# Altium PCB DIOT_Backplane.pcbdoc (part 11 of 11)
Units mm, origin at the board's own origin, x right, y up, seen from the top; angles counter-clockwise.
Board outline 304.8 x 128.5 mm, 14 copper layers (Top Layer, L2, L3GND, L4, L5GND, L6, L7GND, L8, L9GND, L10, L11GND, L12, L13GND, Bottom Layer), stack 4.06 mm thick; 141 components, 1224 nets, 5318 pads, 471 vias.
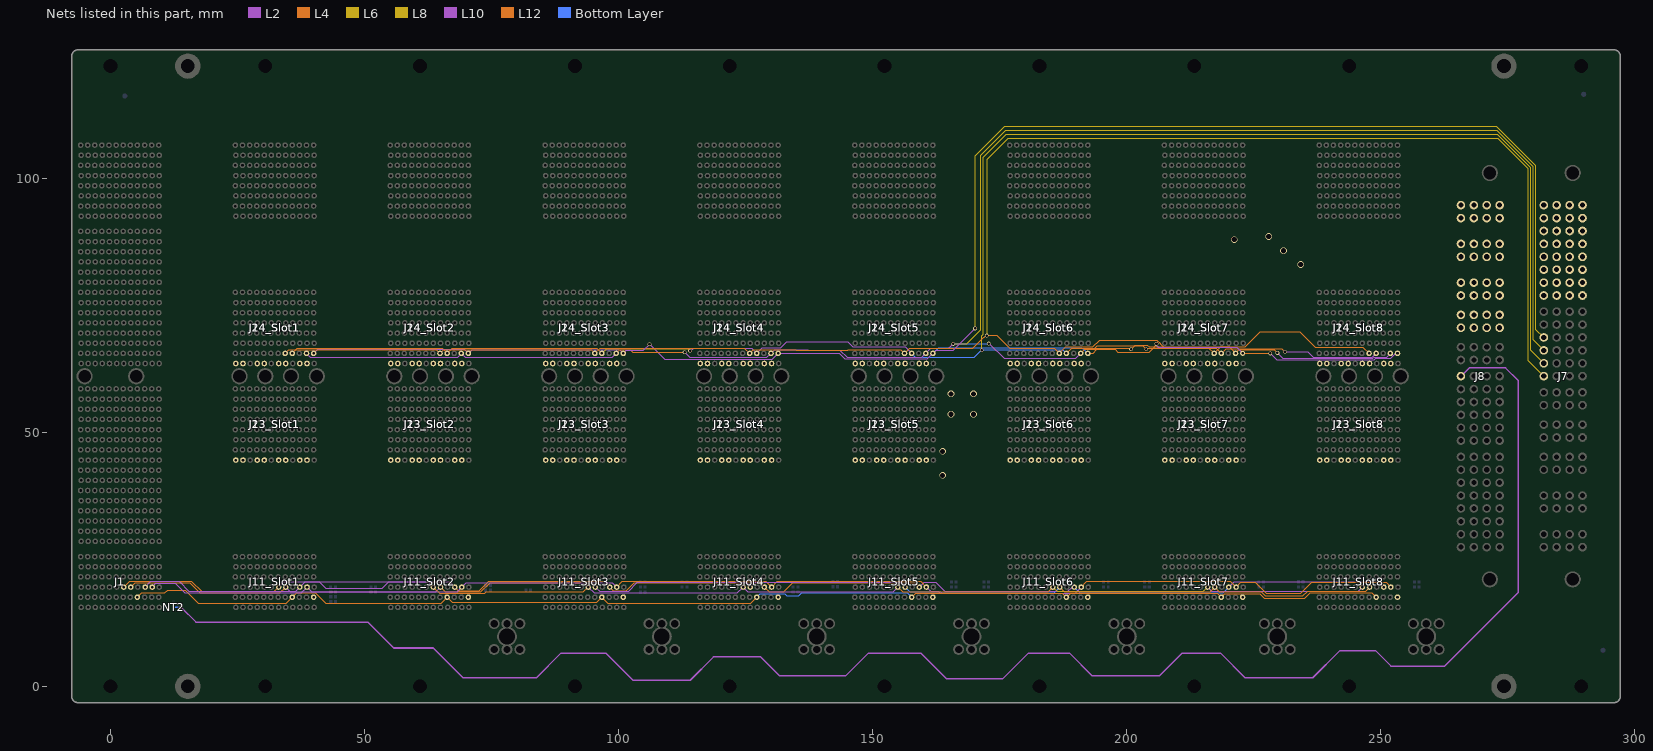
[diagram p23: the nets of this part, all layers, seen from the top]

## Via types
v1: diameter 0.75, hole 0.5, Top Layer to Bottom Layer, tented both sides, 429 vias
v2: diameter 0.85, hole 0.5, Top Layer to Bottom Layer, tented both sides, 32 vias
v3: diameter 1.3, hole 1, Top Layer to Bottom Layer, tented both sides, 10 vias

## Nets (pads, with @x,y where several pads share a name; then routed paths per layer and width w, separated by ;. In a path a pad name is that pad's centre, name@x,y a point inside that pad or via, vN(x,y) a via of type N, cw(c..) or ccw(c..) an arc to the next point about the centre after c; other vN are vias at no path point) (continued)
RTM_SHARED_BUS4: J7.D1 J14_Slot1.H2 J14_Slot2.H2 J14_Slot3.H2 J14_Slot4.H2 J14_Slot5.H2 J14_Slot6.H2 J14_Slot7.H2 J14_Slot8.H2 J24_Slot1.H2 J24_Slot2.H2 J24_Slot3.H2 J24_Slot4.H2 J24_Slot5.H2 J24_Slot6.H2 J24_Slot7.H2 J24_Slot8.H2 | length 412.2
  L4 w0.15: J14_Slot1.H2@34.4,65.55 35.127,66.277 64.153,66.277 J14_Slot2.H2@64.88,65.55 65.607,66.277 94.633,66.277 J14_Slot3.H2@95.36,65.55 96.412,66.602 124.788,66.602 J14_Slot4.H2@125.84,65.55 126.567,66.277 134.897,66.277 134.976,66.198 145.116,66.198 145.195,66.277 155.593,66.277 J14_Slot5.H2@156.32,65.55 157.32,66.55 169.72,66.55 171.893,68.723 172.03,68.723 172.358,69.05 v1(172.52,69.05) 172.546,69.076 174.494,69.076 177.02,66.55 185.8,66.55 J14_Slot6.H2@186.8,65.55 188.073,66.823 193.393,66.823 194.72,68.15 206.001,68.15 206.661,67.49 206.661,67.441 207.321,66.781 216.049,66.781 J14_Slot7.H2@217.28,65.55 218.553,66.823 223.353,66.823 226.332,69.802 234.168,69.802 237.171,66.799 246.511,66.799 J14_Slot8.H2@247.76,65.55
  L6 w0.15: v1(172.52,69.05) 172.62,69.15 172.62,103.75 176.72,107.85 229.42,107.85 273.113,107.85 279.02,101.943 279.02,64.2 J7.D1@282.16,61.06
RTM_SHARED_BUS5: J7.D2 J14_Slot1.I2 J14_Slot2.I2 J14_Slot3.I2 J14_Slot4.I2 J14_Slot5.I2 J14_Slot6.I2 J14_Slot7.I2 J14_Slot8.I2 J24_Slot1.I2 J24_Slot2.I2 J24_Slot3.I2 J24_Slot4.I2 J24_Slot5.I2 J24_Slot6.I2 J24_Slot7.I2 J24_Slot8.I2 | length 412
  L4 w0.15: J14_Slot6.I2@188.2,65.55 189.221,66.571 193.741,66.571 194.22,67.05 203.22,67.05 v1(203.92,66.35) ; J14_Slot7.I2@218.68,65.55 219.609,66.479 230.591,66.479 v1(231.22,65.85)
  L10 w0.15: v1(114.12,66.05) 114.282,66.05 114.782,66.55 126.24,66.55 J14_Slot4.I2@127.24,65.55 128.359,66.669 131.985,66.669 133.167,67.85 145.12,67.85 146.147,66.823 156.447,66.823 J14_Slot5.I2@157.72,65.55 ; v1(231.22,65.85) 235.72,65.85 236.747,64.823 248.433,64.823 J14_Slot8.I2@249.16,65.55
  L12 w0.15: J14_Slot1.I2@35.8,65.55 36.8,66.55 65.28,66.55 J14_Slot2.I2@66.28,65.55 67.28,66.55 95.76,66.55 J14_Slot3.I2@96.76,65.55 ; v1(203.92,66.35) 204.082,66.35 204.282,66.55 217.68,66.55 J14_Slot7.I2@218.68,65.55
  L6 w0.15: J14_Slot3.I2@96.76,65.55 97.66,66.45 113.671,66.45 114.071,66.05 v1(114.12,66.05) ; v1(171.52,66.15) 171.52,69.05 171.82,69.35 171.82,104.157 176.313,108.65 273.02,108.65 279.52,102.15 279.52,66.24 J7.D2@282.16,63.6
  Bottom Layer w0.15: J14_Slot5.I2@157.72,65.55 158.447,64.823 170.093,64.823 v1@171.47,66.2 ; v1@171.546,66.276 176.698,66.276 187.473,66.277 J14_Slot6.I2@188.2,65.55
RTM_SHARED_BUS6: J7.D3 J14_Slot1.K2 J14_Slot2.K2 J14_Slot3.K2 J14_Slot4.K2 J14_Slot5.K2 J14_Slot6.K2 J14_Slot7.K2 J14_Slot8.K2 J24_Slot1.K2 J24_Slot2.K2 J24_Slot3.K2 J24_Slot4.K2 J24_Slot5.K2 J24_Slot6.K2 J24_Slot7.K2 J24_Slot8.K2 | length 414.2
  L4 w0.15: J14_Slot3.K2@99.56,65.55 100.287,66.277 102.293,66.277 102.82,65.75 v1(113.02,65.75) ; J14_Slot6.K2@191,65.55 191.769,66.319 193.845,66.319 194.087,66.561 200.547,66.561 200.758,66.35 v1(200.92,66.35) ; J14_Slot7.K2@221.48,65.55 222.157,66.227 229.143,66.227 v1(229.72,65.65)
  L10 w0.15: J14_Slot1.K2@38.6,65.55 39.327,64.823 68.353,64.823 J14_Slot2.K2@69.08,65.55 69.807,64.823 98.833,64.823 J14_Slot3.K2@99.56,65.55 ; v1(113.02,65.75) 114.02,64.75 129.24,64.75 J14_Slot4.K2@130.04,65.55 130.767,66.277 137.259,66.277 137.338,66.198 143.572,66.198 145.023,64.747 159.717,64.747 J14_Slot5.K2@160.52,65.55 161.477,66.507 165.021,66.507 v1(165.911,67.397) ; v1(172.903,67.483) 173.04,67.483 175.973,64.55 190,64.55 J14_Slot6.K2@191,65.55 ; v1(229.72,65.65) 230.799,64.571 248.537,64.571 248.789,64.823 251.233,64.823 J14_Slot8.K2@251.96,65.55
  L12 w0.15: v1(200.92,66.35) 201.72,67.15 204.12,67.15 204.468,66.802 220.228,66.802 J14_Slot7.K2@221.48,65.55
  L6 w0.15: v1@165.954,67.44 v1(165.911,67.397) 168.567,67.397 171.32,70.15 171.32,104.55 176.22,109.45 272.927,109.45 280.02,102.357 280.02,68.28 J7.D3@282.16,66.14
  Bottom Layer w0.15: v1(165.911,67.397) 165.954,67.44 172.86,67.44 v1(172.903,67.483)
RTM_SHARED_BUS7: J7.D4 J14_Slot1.L2 J14_Slot2.L2 J14_Slot3.L2 J14_Slot4.L2 J14_Slot5.L2 J14_Slot6.L2 J14_Slot7.L2 J14_Slot8.L2 J24_Slot1.L2 J24_Slot2.L2 J24_Slot3.L2 J24_Slot4.L2 J24_Slot5.L2 J24_Slot6.L2 J24_Slot7.L2 J24_Slot8.L2 | length 417.3
  L2 w0.15: J14_Slot3.L2@100.96,65.55 101.56,66.15 104.92,66.15 v1(106.12,67.35) ; J14_Slot5.L2@161.92,65.55 162.52,66.15 165.92,66.15 v1(170.22,70.45) ; v1(205.92,67.45) 206.035,67.335 206.035,66.992 206.288,66.738 221.692,66.738 J14_Slot7.L2@222.88,65.55
  L4 w0.15: J14_Slot6.L2@192.4,65.55 193.433,65.55 194.191,66.309 197.761,66.309 198.32,65.75 204.52,65.75 205.593,66.823 205.593,66.96 205.92,67.288 v1(205.92,67.45) ; J14_Slot7.L2@222.88,65.55 v1(228.32,65.55)
  L10 w0.15: J14_Slot1.L2@40,65.55 40.8,66.35 69.68,66.35 J14_Slot2.L2@70.48,65.55 71.207,66.277 100.233,66.277 J14_Slot3.L2@100.96,65.55 ; v1(106.12,67.35) 109.12,64.35 130.24,64.35 J14_Slot4.L2@131.44,65.55 143.52,65.55 144.601,64.469 160.839,64.469 J14_Slot5.L2@161.92,65.55 ; v1(228.32,65.55) 229.593,64.277 248.747,64.277 249.041,64.571 252.009,64.571 252.687,65.249 252.687,65.251 252.804,65.368 253.178,65.368 J14_Slot8.L2@253.36,65.55
  L12 w0.15: J14_Slot6.L2@192.4,65.55 J14_Slot6.L2@192.496,65.55
  L6 w0.15: v1(170.22,70.45) 170.22,104.45 176.02,110.25 272.834,110.25 280.52,102.564 280.52,70.32 J7.D4@282.16,68.68
  Bottom Layer w0.15: J14_Slot5.L2@161.92,65.55 163.072,66.702 191.248,66.702 J14_Slot6.L2@192.4,65.55
RTN_Sense: J8.D1 NT2.1 | length 353.8
  L10 w0.3: v1(13.914,15.584) 16.837,12.661 50.659,12.661 55.77,7.55 63.57,7.55 69.419,1.701 83.871,1.701 88.72,6.55 97.52,6.55 102.869,1.201 114.121,1.201 118.72,5.8 128.02,5.8 131.77,2.05 144.72,2.05 149.22,6.55 159.52,6.55 164.619,1.451 175.621,1.451 180.72,6.55 188.77,6.55 193.27,2.05 206.47,2.05 210.97,6.55 218.52,6.55 223.369,1.701 236.671,1.701 242.02,7.05 249.02,7.05 252.081,3.989 262.659,3.989 277.12,18.45 277.12,60.205 274.643,62.681 267.471,62.681 J8.D1@265.85,61.06
  Bottom Layer w0.3: 12.766,15.584 v1(13.914,15.584)
SHARED_BUS_0: J1.I2 J11_Slot1.I2 J11_Slot2.I2 J11_Slot3.I2 J11_Slot4.I2 J11_Slot5.I2 J11_Slot6.I2 J11_Slot7.I2 J11_Slot8.I2 | length 253.4
  L4 w0.102: J11_Slot2.I2@66.28,17.55 67.258,16.572 95.782,16.572 J11_Slot3.I2@96.76,17.55 97.916,16.394 126.084,16.394 J11_Slot4.I2@127.24,17.55 ; J11_Slot5.I2@157.72,17.55 158.52,18.35 187.4,18.35 J11_Slot6.I2@188.2,17.55 189.025,18.375 217.855,18.375 J11_Slot7.I2@218.68,17.55 219.406,18.276 226.233,18.276 227.159,17.35 235.09,17.35 236.166,18.426 248.284,18.426 J11_Slot8.I2@249.16,17.55
  L12 w0.102: J1.I2@5.32,17.55 6.171,18.401 10.691,18.401 11.24,18.95 14.74,18.95 17.296,16.394 34.644,16.394 J11_Slot1.I2@35.8,17.55 36.651,18.401 40.33,18.401 42.362,16.369 65.099,16.369 J11_Slot2.I2@66.28,17.55
  Bottom Layer w0.102: J11_Slot4.I2@127.24,17.55 127.966,18.276 132.698,18.276 133.141,17.833 135.51,17.833 136.128,18.451 156.819,18.451 J11_Slot5.I2@157.72,17.55
SHARED_BUS_1: J1.G3 J11_Slot1.G3 J11_Slot2.G3 J11_Slot3.G3 J11_Slot4.G3 J11_Slot5.G3 J11_Slot6.G3 J11_Slot7.G3 J11_Slot8.G3 | length 252.4
  L2 w0.102: J11_Slot3.G3@94.06,19.55 95.209,18.401 123.391,18.401 J11_Slot4.G3@124.54,19.55 125.461,18.629 154.099,18.629 J11_Slot5.G3@155.02,19.55
  L4 w0.102: J11_Slot2.G3@63.58,19.55 64.83,18.3 73.67,18.3 73.974,18.604 93.114,18.604 J11_Slot3.G3@94.06,19.55 ; J11_Slot5.G3@155.02,19.55 155.941,18.629 184.579,18.629 J11_Slot6.G3@185.5,19.55
  L8 w0.102: J11_Slot6.G3@185.5,19.55 185.51,19.55 186.38,18.68 215.11,18.68 J11_Slot7.G3@215.98,19.55
  L10 w0.102: J11_Slot1.G3@33.1,19.55 34.16,20.61 41.08,20.61 42.34,19.35 53.54,19.35 54.8,20.61 62.52,20.61 J11_Slot2.G3@63.58,19.55 ; J11_Slot7.G3@215.98,19.55 216.799,18.731 245.641,18.731 J11_Slot8.G3@246.46,19.55
  L12 w0.102: J1.G3@2.62,19.55 3.807,20.737 15.953,20.737 17.985,18.705 32.255,18.705 J11_Slot1.G3@33.1,19.55
SHARED_BUS_2: J1.H3 J11_Slot1.H3 J11_Slot2.H3 J11_Slot3.H3 J11_Slot4.H3 J11_Slot5.H3 J11_Slot6.H3 J11_Slot7.H3 J11_Slot8.H3 | length 253.2
  L2 w0.102: J11_Slot3.H3@95.46,19.55 96.305,18.705 102.001,18.705 103.754,20.458 125.032,20.458 J11_Slot4.H3@125.94,19.55 126.873,20.483 155.487,20.483 J11_Slot5.H3@156.42,19.55
  L4 w0.102: J11_Slot2.H3@64.98,19.55 65.952,18.578 72.943,18.578 74.803,20.438 94.572,20.438 J11_Slot3.H3@95.46,19.55 ; J11_Slot6.H3@186.9,19.55 187.801,18.649 216.479,18.649 J11_Slot7.H3@217.38,19.55 217.387,19.55 218.317,18.62 226.524,18.62 227.344,17.8 234.722,17.8 235.678,18.756 247.066,18.756 J11_Slot8.H3@247.86,19.55
  L10 w0.102: J11_Slot1.H3@34.5,19.55 35.446,18.604 64.034,18.604 J11_Slot2.H3@64.98,19.55
  L12 w0.102: J1.H3@4.02,19.55 4.877,20.407 15.622,20.407 17.629,18.401 33.351,18.401 J11_Slot1.H3@34.5,19.55
  Bottom Layer w0.102: J11_Slot5.H3@156.42,19.55 157.344,18.626 163.477,18.626 163.652,18.451 185.801,18.451 J11_Slot6.H3@186.9,19.55
SHARED_BUS_3: J1.J3 J11_Slot1.J3 J11_Slot2.J3 J11_Slot3.J3 J11_Slot4.J3 J11_Slot5.J3 J11_Slot6.J3 J11_Slot7.J3 J11_Slot8.J3 | length 253.9
  L2 w0.102: J1.J3@6.82,19.55 7.931,20.661 13.529,20.661 15.443,18.747 36.497,18.747 J11_Slot1.J3@37.3,19.55 38.31,20.56 66.77,20.56 J11_Slot2.J3@67.78,19.55
  L4 w0.102: J11_Slot2.J3@67.78,19.55 68.483,18.847 72.653,18.847 74.518,20.712 97.098,20.712 J11_Slot3.J3@98.26,19.55 99.018,18.792 101.554,18.792 103.144,20.382 127.908,20.382 J11_Slot4.J3@128.74,19.55 129.712,18.578 132.557,18.578 134.361,20.382 158.388,20.382 J11_Slot5.J3@159.22,19.55
  L10 w0.102: J11_Slot5.J3@159.22,19.55 160.179,20.509 162.453,20.509 164.282,18.68 188.47,18.68 189.34,19.55 J11_Slot6.J3@189.7,19.55 ; J11_Slot7.J3@220.18,19.55 221.19,20.56 249.65,20.56 J11_Slot8.J3@250.66,19.55
  Bottom Layer w0.102: J11_Slot6.J3@189.7,19.55 190.838,18.412 219.056,18.412 220.18,19.536 J11_Slot7.J3@220.18,19.55
SHARED_BUS_4: J1.K3 J11_Slot1.K3 J11_Slot2.K3 J11_Slot3.K3 J11_Slot4.K3 J11_Slot5.K3 J11_Slot6.K3 J11_Slot7.K3 J11_Slot8.K3 | length 253.2
  L2 w0.102: J1.K3@8.22,19.55 8.946,20.276 12.745,20.276 14.629,18.391 37.541,18.391 J11_Slot1.K3@38.7,19.55 39.621,18.629 68.259,18.629 J11_Slot2.K3@69.18,19.55 70.063,20.433 98.777,20.433 J11_Slot3.K3@99.66,19.55
  L4 w0.102: J11_Slot3.K3@99.66,19.55 100.797,20.687 129.003,20.687 J11_Slot4.K3@130.14,19.55 131.277,20.687 159.483,20.687 J11_Slot5.K3@160.62,19.55 ; J11_Slot6.K3@191.1,19.55 192.199,20.649 220.481,20.649 J11_Slot7.K3@221.58,19.55 222.53,20.5 225.381,20.5 227.53,18.35 234.341,18.35 236.49,20.5 251.11,20.5 J11_Slot8.K3@252.06,19.55
  L10 w0.102: J11_Slot5.K3@160.62,19.55 161.439,18.731 162.961,18.731 163.317,18.375 189.925,18.375 J11_Slot6.K3@191.1,19.55
"SYSEN_Peripheral Slot 1_N": J11_Slot1.L2
"SYSEN_Peripheral Slot 2_N": J11_Slot2.L2
"SYSEN_Peripheral Slot 3_N": J11_Slot3.L2
"SYSEN_Peripheral Slot 4_N": J11_Slot4.L2
"SYSEN_Peripheral Slot 5_N": J11_Slot5.L2
"SYSEN_Peripheral Slot 6_N": J11_Slot6.L2
"SYSEN_Peripheral Slot 7_N": J11_Slot7.L2
"SYSEN_Peripheral Slot 8_N": J11_Slot8.L2
Vext1: J7.P9 J8.P1 J14_Slot1.A1 J14_Slot1.B1 J14_Slot1.D1 J14_Slot1.E1 J14_Slot2.A1 J14_Slot2.B1 J14_Slot2.D1 J14_Slot2.E1 J14_Slot3.A1 J14_Slot3.B1 J14_Slot3.D1 J14_Slot3.E1 J14_Slot4.A1 J14_Slot4.B1 J14_Slot4.D1 J14_Slot4.E1 J14_Slot5.A1 J14_Slot5.B1 J14_Slot5.D1 J14_Slot5.E1 J14_Slot6.A1 J14_Slot6.B1 J14_Slot6.D1 J14_Slot6.E1 J14_Slot7.A1 J14_Slot7.B1 J14_Slot7.D1 J14_Slot7.E1 J14_Slot8.A1 J14_Slot8.B1 J14_Slot8.D1 J14_Slot8.E1 J24_Slot1.A1 J24_Slot1.B1 J24_Slot1.D1 J24_Slot1.E1 J24_Slot2.A1 J24_Slot2.B1 J24_Slot2.D1 J24_Slot2.E1 J24_Slot3.A1 J24_Slot3.B1 J24_Slot3.D1 J24_Slot3.E1 J24_Slot4.A1 J24_Slot4.B1 J24_Slot4.D1 J24_Slot4.E1 J24_Slot5.A1 J24_Slot5.B1 J24_Slot5.D1 J24_Slot5.E1 J24_Slot6.A1 J24_Slot6.B1 J24_Slot6.D1 J24_Slot6.E1 J24_Slot7.A1 J24_Slot7.B1 J24_Slot7.D1 J24_Slot7.E1 J24_Slot8.A1 J24_Slot8.B1 J24_Slot8.D1 J24_Slot8.E1
Vext2: J7.P8 J8.P2 J14_Slot1.G1 J14_Slot1.H1 J14_Slot1.J1 J14_Slot1.K1 J14_Slot2.G1 J14_Slot2.H1 J14_Slot2.J1 J14_Slot2.K1 J14_Slot3.G1 J14_Slot3.H1 J14_Slot3.J1 J14_Slot3.K1 J14_Slot4.G1 J14_Slot4.H1 J14_Slot4.J1 J14_Slot4.K1 J14_Slot5.G1 J14_Slot5.H1 J14_Slot5.J1 J14_Slot5.K1 J14_Slot6.G1 J14_Slot6.H1 J14_Slot6.J1 J14_Slot6.K1 J14_Slot7.G1 J14_Slot7.H1 J14_Slot7.J1 J14_Slot7.K1 J14_Slot8.G1 J14_Slot8.H1 J14_Slot8.J1 J14_Slot8.K1 J24_Slot1.G1 J24_Slot1.H1 J24_Slot1.J1 J24_Slot1.K1 J24_Slot2.G1 J24_Slot2.H1 J24_Slot2.J1 J24_Slot2.K1 J24_Slot3.G1 J24_Slot3.H1 J24_Slot3.J1 J24_Slot3.K1 J24_Slot4.G1 J24_Slot4.H1 J24_Slot4.J1 J24_Slot4.K1 J24_Slot5.G1 J24_Slot5.H1 J24_Slot5.J1 J24_Slot5.K1 J24_Slot6.G1 J24_Slot6.H1 J24_Slot6.J1 J24_Slot6.K1 J24_Slot7.G1 J24_Slot7.H1 J24_Slot7.J1 J24_Slot7.K1 J24_Slot8.G1 J24_Slot8.H1 J24_Slot8.J1 J24_Slot8.K1
  other v3: 165.48,53.557 169.895,53.557 165.48,57.57 169.895,57.57 234.32,83.05 230.92,85.75 221.22,87.95 228.02,88.55
Vext3: J7.P7 J8.P3 J13_Slot1.A1 J13_Slot1.B1 J13_Slot1.D1 J13_Slot1.E1 J13_Slot2.A1 J13_Slot2.B1 J13_Slot2.D1 J13_Slot2.E1 J13_Slot3.A1 J13_Slot3.B1 J13_Slot3.D1 J13_Slot3.E1 J13_Slot4.A1 J13_Slot4.B1 J13_Slot4.D1 J13_Slot4.E1 J13_Slot5.A1 J13_Slot5.B1 J13_Slot5.D1 J13_Slot5.E1 J13_Slot6.A1 J13_Slot6.B1 J13_Slot6.D1 J13_Slot6.E1 J13_Slot7.A1 J13_Slot7.B1 J13_Slot7.D1 J13_Slot7.E1 J13_Slot8.A1 J13_Slot8.B1 J13_Slot8.D1 J13_Slot8.E1 J23_Slot1.A1 J23_Slot1.B1 J23_Slot1.D1 J23_Slot1.E1 J23_Slot2.A1 J23_Slot2.B1 J23_Slot2.D1 J23_Slot2.E1 J23_Slot3.A1 J23_Slot3.B1 J23_Slot3.D1 J23_Slot3.E1 J23_Slot4.A1 J23_Slot4.B1 J23_Slot4.D1 J23_Slot4.E1 J23_Slot5.A1 J23_Slot5.B1 J23_Slot5.D1 J23_Slot5.E1 J23_Slot6.A1 J23_Slot6.B1 J23_Slot6.D1 J23_Slot6.E1 J23_Slot7.A1 J23_Slot7.B1 J23_Slot7.D1 J23_Slot7.E1 J23_Slot8.A1 J23_Slot8.B1 J23_Slot8.D1 J23_Slot8.E1
Vext4: J7.P6 J8.P4 J13_Slot1.G1 J13_Slot1.H1 J13_Slot1.J1 J13_Slot1.K1 J13_Slot2.G1 J13_Slot2.H1 J13_Slot2.J1 J13_Slot2.K1 J13_Slot3.G1 J13_Slot3.H1 J13_Slot3.J1 J13_Slot3.K1 J13_Slot4.G1 J13_Slot4.H1 J13_Slot4.J1 J13_Slot4.K1 J13_Slot5.G1 J13_Slot5.H1 J13_Slot5.J1 J13_Slot5.K1 J13_Slot6.G1 J13_Slot6.H1 J13_Slot6.J1 J13_Slot6.K1 J13_Slot7.G1 J13_Slot7.H1 J13_Slot7.J1 J13_Slot7.K1 J13_Slot8.G1 J13_Slot8.H1 J13_Slot8.J1 J13_Slot8.K1 J23_Slot1.G1 J23_Slot1.H1 J23_Slot1.J1 J23_Slot1.K1 J23_Slot2.G1 J23_Slot2.H1 J23_Slot2.J1 J23_Slot2.K1 J23_Slot3.G1 J23_Slot3.H1 J23_Slot3.J1 J23_Slot3.K1 J23_Slot4.G1 J23_Slot4.H1 J23_Slot4.J1 J23_Slot4.K1 J23_Slot5.G1 J23_Slot5.H1 J23_Slot5.J1 J23_Slot5.K1 J23_Slot6.G1 J23_Slot6.H1 J23_Slot6.J1 J23_Slot6.K1 J23_Slot7.G1 J23_Slot7.H1 J23_Slot7.J1 J23_Slot7.K1 J23_Slot8.G1 J23_Slot8.H1 J23_Slot8.J1 J23_Slot8.K1
  other v3: 163.825,41.517 163.825,46.242
pads on no net: B5.1 B6.1 B7.1 B8.1 B9.1 B10.1 B11.1 B12.1 B13.1 B14.1 B15.1 B16.1 B17.1 B18.1 B19.1 B20.1 B21.1 B22.1 B23.1 B24.1 FTG1.FTG2 FTG2.FTG2 FTG3.FTG2 GUIDE1.1 GUIDE1.2 GUIDE2.1 GUIDE2.2 GUIDE3.1 GUIDE3.2 GUIDE4.1 GUIDE4.2 GUIDE5.1 GUIDE5.2 GUIDE6.1 GUIDE6.2 GUIDE7.1 GUIDE7.2 GUIDE8.1 GUIDE8.2 GUIDE9.1 GUIDE9.2 GUIDE10.1 GUIDE10.2 GUIDE11.1 GUIDE11.2 GUIDE12.1 GUIDE12.2 GUIDE13.1 GUIDE13.2 GUIDE14.1 GUIDE14.2 GUIDE15.1 GUIDE15.2 GUIDE16.1 GUIDE16.2 GUIDE17.1 GUIDE17.2 J1.E4 J1.F4 J1.K2 J2.A1 J2.B1 J2.B2 J2.C2 J2.D1 J2.E1 J2.E2 J2.F2 J2.G1 J2.H1 J2.H2 J2.I2 J2.J1 J2.K1 J2.K2 J2.L2 J7.A5 J7.A6 J7.B1 J7.B2 J7.B3 J7.B4 J7.B5 J7.B6 J7.C1 J7.C2 J7.C3 J7.C4 J7.C5 J7.C6 J7.D5 J7.D6 J7.MTG1 J7.MTG2 J8.MTG1 J8.MTG2 J16_Slot1.A3 J16_Slot1.A5 J16_Slot1.A7 J16_Slot1.B2 J16_Slot1.B3 J16_Slot1.B4 J16_Slot1.B5 J16_Slot1.B6 J16_Slot1.B7 J16_Slot1.B8 J16_Slot1.C2 J16_Slot1.C4 J16_Slot1.C6 J16_Slot1.C8 J16_Slot1.D3 J16_Slot1.D5 J16_Slot1.D7 J16_Slot1.E2 J16_Slot1.E3 J16_Slot1.E4 J16_Slot1.E5 J16_Slot1.E6 J16_Slot1.E7 J16_Slot1.E8 J16_Slot1.F2 J16_Slot1.F4 J16_Slot1.F6 J16_Slot1.F8 J16_Slot1.G3 J16_Slot1.G5 J16_Slot1.G7 J16_Slot1.H2 J16_Slot1.H3 J16_Slot1.H4 J16_Slot1.H5 J16_Slot1.H6 J16_Slot1.H7 J16_Slot1.H8 J16_Slot1.I2 J16_Slot1.I4 J16_Slot1.I6 J16_Slot1.I8 J16_Slot1.J3 J16_Slot1.J5 J16_Slot1.J7 J16_Slot1.K2 J16_Slot1.K3 J16_Slot1.K4 J16_Slot1.K5 J16_Slot1.K6 J16_Slot1.K7 J16_Slot1.K8 J16_Slot1.L2 J16_Slot1.L4 J16_Slot1.L6 J16_Slot1.L8 J16_Slot2.A3 J16_Slot2.A5 J16_Slot2.A7 J16_Slot2.B2 J16_Slot2.B3 J16_Slot2.B4 J16_Slot2.B5 J16_Slot2.B6 J16_Slot2.B7 J16_Slot2.B8 J16_Slot2.C2 J16_Slot2.C4 J16_Slot2.C6 J16_Slot2.C8 J16_Slot2.D3 J16_Slot2.D5 J16_Slot2.D7 J16_Slot2.E2 J16_Slot2.E3 J16_Slot2.E4 J16_Slot2.E5 J16_Slot2.E6 J16_Slot2.E7 J16_Slot2.E8 J16_Slot2.F2 J16_Slot2.F4 J16_Slot2.F6 J16_Slot2.F8 J16_Slot2.G3 J16_Slot2.G5 J16_Slot2.G7 J16_Slot2.H2 J16_Slot2.H3 J16_Slot2.H4 J16_Slot2.H5 J16_Slot2.H6 J16_Slot2.H7 J16_Slot2.H8 J16_Slot2.I2 J16_Slot2.I4 J16_Slot2.I6 J16_Slot2.I8 J16_Slot2.J3 J16_Slot2.J5 J16_Slot2.J7 J16_Slot2.K2 J16_Slot2.K3 J16_Slot2.K4 J16_Slot2.K5 J16_Slot2.K6 J16_Slot2.K7 J16_Slot2.K8 J16_Slot2.L2 J16_Slot2.L4 J16_Slot2.L6 J16_Slot2.L8 J16_Slot3.A3 J16_Slot3.A5 J16_Slot3.A7 J16_Slot3.B2 J16_Slot3.B3 J16_Slot3.B4 J16_Slot3.B5 J16_Slot3.B6 J16_Slot3.B7 J16_Slot3.B8 J16_Slot3.C2 J16_Slot3.C4 J16_Slot3.C6 J16_Slot3.C8 J16_Slot3.D3 J16_Slot3.D5 J16_Slot3.D7 J16_Slot3.E2 J16_Slot3.E3 J16_Slot3.E4 J16_Slot3.E5 J16_Slot3.E6 J16_Slot3.E7 J16_Slot3.E8 J16_Slot3.F2 J16_Slot3.F4 J16_Slot3.F6 J16_Slot3.F8 J16_Slot3.G3 J16_Slot3.G5 J16_Slot3.G7 J16_Slot3.H2 J16_Slot3.H3 J16_Slot3.H4 J16_Slot3.H5 J16_Slot3.H6 J16_Slot3.H7 J16_Slot3.H8 J16_Slot3.I2 J16_Slot3.I4 J16_Slot3.I6 J16_Slot3.I8 J16_Slot3.J3 J16_Slot3.J5 J16_Slot3.J7 J16_Slot3.K2 J16_Slot3.K3 J16_Slot3.K4 J16_Slot3.K5 J16_Slot3.K6 J16_Slot3.K7 J16_Slot3.K8 J16_Slot3.L2 J16_Slot3.L4 J16_Slot3.L6 J16_Slot3.L8 J16_Slot4.A3 J16_Slot4.A5 J16_Slot4.A7 J16_Slot4.B2 J16_Slot4.B3 J16_Slot4.B4 J16_Slot4.B5 J16_Slot4.B6 J16_Slot4.B7 J16_Slot4.B8 J16_Slot4.C2 J16_Slot4.C4 J16_Slot4.C6 J16_Slot4.C8 J16_Slot4.D3 J16_Slot4.D5 J16_Slot4.D7 J16_Slot4.E2 J16_Slot4.E3 J16_Slot4.E4 J16_Slot4.E5 J16_Slot4.E6 J16_Slot4.E7 J16_Slot4.E8 J16_Slot4.F2 J16_Slot4.F4 J16_Slot4.F6 J16_Slot4.F8 J16_Slot4.G3 J16_Slot4.G5 J16_Slot4.G7 J16_Slot4.H2 J16_Slot4.H3 J16_Slot4.H4 J16_Slot4.H5 J16_Slot4.H6 J16_Slot4.H7 J16_Slot4.H8 J16_Slot4.I2 J16_Slot4.I4 J16_Slot4.I6 J16_Slot4.I8 J16_Slot4.J3 J16_Slot4.J5 J16_Slot4.J7 J16_Slot4.K2 J16_Slot4.K3 J16_Slot4.K4 J16_Slot4.K5 J16_Slot4.K6 J16_Slot4.K7 J16_Slot4.K8 J16_Slot4.L2 J16_Slot4.L4 J16_Slot4.L6 J16_Slot4.L8 J16_Slot5.A3 J16_Slot5.A5 J16_Slot5.A7 J16_Slot5.B2 J16_Slot5.B3 J16_Slot5.B4 J16_Slot5.B5 J16_Slot5.B6 J16_Slot5.B7 J16_Slot5.B8 J16_Slot5.C2 J16_Slot5.C4 J16_Slot5.C6 J16_Slot5.C8 J16_Slot5.D3 J16_Slot5.D5 J16_Slot5.D7 J16_Slot5.E2 J16_Slot5.E3 J16_Slot5.E4 J16_Slot5.E5 J16_Slot5.E6 J16_Slot5.E7 J16_Slot5.E8 J16_Slot5.F2 J16_Slot5.F4 J16_Slot5.F6 J16_Slot5.F8 J16_Slot5.G3 J16_Slot5.G5 J16_Slot5.G7 J16_Slot5.H2 J16_Slot5.H3 J16_Slot5.H4 J16_Slot5.H5 J16_Slot5.H6 J16_Slot5.H7 J16_Slot5.H8 J16_Slot5.I2 J16_Slot5.I4 J16_Slot5.I6 J16_Slot5.I8 J16_Slot5.J3 J16_Slot5.J5 J16_Slot5.J7 J16_Slot5.K2 J16_Slot5.K3 J16_Slot5.K4 J16_Slot5.K5 J16_Slot5.K6 J16_Slot5.K7 J16_Slot5.K8 J16_Slot5.L2 J16_Slot5.L4 J16_Slot5.L6 J16_Slot5.L8 J16_Slot6.A3 J16_Slot6.A5 J16_Slot6.A7 J16_Slot6.B2 J16_Slot6.B3 J16_Slot6.B4 J16_Slot6.B5 J16_Slot6.B6 J16_Slot6.B7 J16_Slot6.B8 J16_Slot6.C2 J16_Slot6.C4 J16_Slot6.C6 J16_Slot6.C8 J16_Slot6.D3 J16_Slot6.D5 J16_Slot6.D7 J16_Slot6.E2 J16_Slot6.E3 J16_Slot6.E4 J16_Slot6.E5 J16_Slot6.E6 J16_Slot6.E7 J16_Slot6.E8 J16_Slot6.F2 J16_Slot6.F4 J16_Slot6.F6 J16_Slot6.F8 J16_Slot6.G3 J16_Slot6.G5 J16_Slot6.G7 J16_Slot6.H2 J16_Slot6.H3 J16_Slot6.H4 J16_Slot6.H5 J16_Slot6.H6 J16_Slot6.H7 J16_Slot6.H8 J16_Slot6.I2 J16_Slot6.I4 J16_Slot6.I6 J16_Slot6.I8 J16_Slot6.J3 J16_Slot6.J5 J16_Slot6.J7 J16_Slot6.K2 J16_Slot6.K3 J16_Slot6.K4 J16_Slot6.K5 J16_Slot6.K6 J16_Slot6.K7 J16_Slot6.K8 J16_Slot6.L2 J16_Slot6.L4 J16_Slot6.L6 J16_Slot6.L8 J16_Slot7.A3 J16_Slot7.A5 J16_Slot7.A7 J16_Slot7.B2 J16_Slot7.B3 J16_Slot7.B4 J16_Slot7.B5 J16_Slot7.B6 J16_Slot7.B7 J16_Slot7.B8 J16_Slot7.C2 J16_Slot7.C4 J16_Slot7.C6 J16_Slot7.C8 J16_Slot7.D3 J16_Slot7.D5 J16_Slot7.D7 J16_Slot7.E2 J16_Slot7.E3 J16_Slot7.E4 J16_Slot7.E5 J16_Slot7.E6 J16_Slot7.E7 J16_Slot7.E8 J16_Slot7.F2 J16_Slot7.F4 J16_Slot7.F6 J16_Slot7.F8 J16_Slot7.G3 J16_Slot7.G5 J16_Slot7.G7 J16_Slot7.H2 J16_Slot7.H3 J16_Slot7.H4 J16_Slot7.H5 J16_Slot7.H6 J16_Slot7.H7 J16_Slot7.H8 J16_Slot7.I2 J16_Slot7.I4 J16_Slot7.I6 J16_Slot7.I8 J16_Slot7.J3 J16_Slot7.J5 J16_Slot7.J7 J16_Slot7.K2 J16_Slot7.K3 J16_Slot7.K4 J16_Slot7.K5 J16_Slot7.K6 J16_Slot7.K7 J16_Slot7.K8 J16_Slot7.L2 J16_Slot7.L4 J16_Slot7.L6 J16_Slot7.L8 J16_Slot8.A3 J16_Slot8.A5 J16_Slot8.A7 J16_Slot8.B2 J16_Slot8.B3 J16_Slot8.B4 J16_Slot8.B5 J16_Slot8.B6 J16_Slot8.B7 J16_Slot8.B8 J16_Slot8.C2 J16_Slot8.C4 J16_Slot8.C6 J16_Slot8.C8 J16_Slot8.D3 J16_Slot8.D5 J16_Slot8.D7 J16_Slot8.E2 J16_Slot8.E3 J16_Slot8.E4 J16_Slot8.E5 J16_Slot8.E6 J16_Slot8.E7 J16_Slot8.E8 J16_Slot8.F2 J16_Slot8.F4 J16_Slot8.F6 J16_Slot8.F8 J16_Slot8.G3 J16_Slot8.G5 J16_Slot8.G7 J16_Slot8.H2 J16_Slot8.H3 J16_Slot8.H4 J16_Slot8.H5 J16_Slot8.H6 J16_Slot8.H7 J16_Slot8.H8 J16_Slot8.I2 J16_Slot8.I4 J16_Slot8.I6 J16_Slot8.I8 J16_Slot8.J3 J16_Slot8.J5 J16_Slot8.J7 J16_Slot8.K2 J16_Slot8.K3 J16_Slot8.K4 J16_Slot8.K5 J16_Slot8.K6 J16_Slot8.K7 J16_Slot8.K8 J16_Slot8.L2 J16_Slot8.L4 J16_Slot8.L6 J16_Slot8.L8

## Text inside footprints (layer, text, board x,y; h text height)
J13_Slot1: Drill Drawing "PRESS-FIT TECHNOLOGY" at 23.85,42.05 h1; Drill Drawing "Diam. 0.5mm +/-0.05" at 23.85,40.55 h1; Top Overlay "8" at 43.15,58.233 h1 r90; Top Overlay "7" at 43.15,56.233 h1 r90; Top Overlay "6" at 43.15,54.281 h1 r90; Top Overlay "5" at 43.15,52.233 h1 r90; Top Overlay "4" at 43.15,50.186 h1 r90; Top Overlay "3" at 43.15,48.233 h1 r90; Top Overlay "2" at 43.15,46.233 h1 r90; Top Overlay "1" at 43.15,44.662 h1 r90; Mechanical 14 "L" at 39.6,60.75 h1 r270; Mechanical 14 "8" at 42.15,58.9 h1 r270; Mechanical 14 "L" at 40.6,60.179 h1 r90; Mechanical 14 "7" at 42.15,56.9 h1 r270; Mechanical 14 "K" at 38.2,60.75 h1 r270; Mechanical 14 "K" at 39.2,60.083 h1 r90; Mechanical 14 "J" at 36.8,60.75 h1 r270; Mechanical 14 "J" at 37.8,60.274 h1 r90; Mechanical 14 "6" at 42.15,54.9 h1 r270; Mechanical 14 "5" at 42.15,52.9 h1 r270; Mechanical 14 "I" at 35.4,60.5 h1 r270; Mechanical 14 "I" at 36.4,60.5 h1 r90; Mechanical 14 "H" at 34,60.75 h1 r270; Mechanical 14 "H" at 35,60.083 h1 r90; Mechanical 14 "G" at 32.6,60.75 h1 r270; Mechanical 14 "G" at 33.6,60.036 h1 r90; Mechanical 14 "4" at 42.15,50.9 h1 r270; Mechanical 14 "3" at 42.15,48.9 h1 r270; Mechanical 14 "2" at 42.15,46.9 h1 r270; Mechanical 14 "1" at 42.15,44.9 h1 r270; Mechanical 14 "F" at 31.2,60.75 h1 r270; Mechanical 14 "F" at 32.2,60.131 h1 r90; Mechanical 14 "E" at 29.8,60.75 h1 r270; Mechanical 14 "E" at 30.8,60.131 h1 r90; Mechanical 14 "D" at 28.4,60.75 h1 r270; Mechanical 14 "D" at 29.4,60.083 h1 r90; Mechanical 14 "C" at 27,60.75 h1 r270; Mechanical 14 "C" at 28,60.036 h1 r90; Mechanical 14 "B" at 25.6,60.75 h1 r270; Mechanical 14 "B" at 26.6,60.083 h1 r90; Mechanical 14 "A" at 24.2,60.75 h1 r270; Mechanical 14 "A" at 25.2,59.988 h1 r90
J13_Slot2: Drill Drawing "PRESS-FIT TECHNOLOGY" at 54.33,42.05 h1; Drill Drawing "Diam. 0.5mm +/-0.05" at 54.33,40.55 h1; Top Overlay "8" at 73.63,58.233 h1 r90; Top Overlay "7" at 73.63,56.233 h1 r90; Top Overlay "6" at 73.63,54.281 h1 r90; Top Overlay "5" at 73.63,52.233 h1 r90; Top Overlay "4" at 73.63,50.186 h1 r90; Top Overlay "3" at 73.63,48.233 h1 r90; Top Overlay "2" at 73.63,46.233 h1 r90; Top Overlay "1" at 73.63,44.662 h1 r90; Mechanical 14 "L" at 70.08,60.75 h1 r270; Mechanical 14 "L" at 71.08,60.179 h1 r90; Mechanical 14 "8" at 72.63,58.9 h1 r270; Mechanical 14 "7" at 72.63,56.9 h1 r270; Mechanical 14 "K" at 68.68,60.75 h1 r270; Mechanical 14 "K" at 69.68,60.083 h1 r90; Mechanical 14 "J" at 67.28,60.75 h1 r270; Mechanical 14 "J" at 68.28,60.274 h1 r90; Mechanical 14 "6" at 72.63,54.9 h1 r270; Mechanical 14 "5" at 72.63,52.9 h1 r270; Mechanical 14 "I" at 65.88,60.5 h1 r270; Mechanical 14 "I" at 66.88,60.5 h1 r90; Mechanical 14 "H" at 64.48,60.75 h1 r270; Mechanical 14 "H" at 65.48,60.083 h1 r90; Mechanical 14 "G" at 63.08,60.75 h1 r270; Mechanical 14 "G" at 64.08,60.036 h1 r90; Mechanical 14 "4" at 72.63,50.9 h1 r270; Mechanical 14 "3" at 72.63,48.9 h1 r270; Mechanical 14 "2" at 72.63,46.9 h1 r270; Mechanical 14 "1" at 72.63,44.9 h1 r270; Mechanical 14 "F" at 61.68,60.75 h1 r270; Mechanical 14 "F" at 62.68,60.131 h1 r90; Mechanical 14 "E" at 60.28,60.75 h1 r270; Mechanical 14 "E" at 61.28,60.131 h1 r90; Mechanical 14 "D" at 58.88,60.75 h1 r270; Mechanical 14 "D" at 59.88,60.083 h1 r90; Mechanical 14 "C" at 57.48,60.75 h1 r270; Mechanical 14 "C" at 58.48,60.036 h1 r90; Mechanical 14 "B" at 56.08,60.75 h1 r270; Mechanical 14 "B" at 57.08,60.083 h1 r90; Mechanical 14 "A" at 54.68,60.75 h1 r270; Mechanical 14 "A" at 55.68,59.988 h1 r90
J13_Slot3: Drill Drawing "PRESS-FIT TECHNOLOGY" at 84.81,42.05 h1; Drill Drawing "Diam. 0.5mm +/-0.05" at 84.81,40.55 h1; Top Overlay "8" at 104.11,58.233 h1 r90; Top Overlay "7" at 104.11,56.233 h1 r90; Top Overlay "6" at 104.11,54.281 h1 r90; Top Overlay "5" at 104.11,52.233 h1 r90; Top Overlay "4" at 104.11,50.186 h1 r90; Top Overlay "3" at 104.11,48.233 h1 r90; Top Overlay "2" at 104.11,46.233 h1 r90; Top Overlay "1" at 104.11,44.662 h1 r90; Mechanical 14 "L" at 100.56,60.75 h1 r270; Mechanical 14 "8" at 103.11,58.9 h1 r270; Mechanical 14 "L" at 101.56,60.179 h1 r90; Mechanical 14 "7" at 103.11,56.9 h1 r270; Mechanical 14 "K" at 99.16,60.75 h1 r270; Mechanical 14 "K" at 100.16,60.083 h1 r90; Mechanical 14 "J" at 97.76,60.75 h1 r270; Mechanical 14 "J" at 98.76,60.274 h1 r90; Mechanical 14 "6" at 103.11,54.9 h1 r270; Mechanical 14 "5" at 103.11,52.9 h1 r270; Mechanical 14 "I" at 96.36,60.5 h1 r270; Mechanical 14 "I" at 97.36,60.5 h1 r90; Mechanical 14 "H" at 94.96,60.75 h1 r270; Mechanical 14 "H" at 95.96,60.083 h1 r90; Mechanical 14 "G" at 93.56,60.75 h1 r270; Mechanical 14 "G" at 94.56,60.036 h1 r90; Mechanical 14 "4" at 103.11,50.9 h1 r270; Mechanical 14 "3" at 103.11,48.9 h1 r270; Mechanical 14 "2" at 103.11,46.9 h1 r270; Mechanical 14 "1" at 103.11,44.9 h1 r270; Mechanical 14 "F" at 92.16,60.75 h1 r270; Mechanical 14 "F" at 93.16,60.131 h1 r90; Mechanical 14 "E" at 90.76,60.75 h1 r270; Mechanical 14 "E" at 91.76,60.131 h1 r90; Mechanical 14 "D" at 89.36,60.75 h1 r270; Mechanical 14 "D" at 90.36,60.083 h1 r90; Mechanical 14 "C" at 87.96,60.75 h1 r270; Mechanical 14 "C" at 88.96,60.036 h1 r90; Mechanical 14 "B" at 86.56,60.75 h1 r270; Mechanical 14 "B" at 87.56,60.083 h1 r90; Mechanical 14 "A" at 85.16,60.75 h1 r270; Mechanical 14 "A" at 86.16,59.988 h1 r90
J13_Slot4: Drill Drawing "PRESS-FIT TECHNOLOGY" at 115.29,42.05 h1; Drill Drawing "Diam. 0.5mm +/-0.05" at 115.29,40.55 h1; Top Overlay "8" at 134.59,58.233 h1 r90; Top Overlay "7" at 134.59,56.233 h1 r90; Top Overlay "6" at 134.59,54.281 h1 r90; Top Overlay "5" at 134.59,52.233 h1 r90; Top Overlay "4" at 134.59,50.186 h1 r90; Top Overlay "3" at 134.59,48.233 h1 r90; Top Overlay "2" at 134.59,46.233 h1 r90; Top Overlay "1" at 134.59,44.662 h1 r90; Mechanical 14 "L" at 131.04,60.75 h1 r270; Mechanical 14 "L" at 132.04,60.179 h1 r90; Mechanical 14 "8" at 133.59,58.9 h1 r270; Mechanical 14 "7" at 133.59,56.9 h1 r270; Mechanical 14 "K" at 129.64,60.75 h1 r270; Mechanical 14 "K" at 130.64,60.083 h1 r90; Mechanical 14 "J" at 128.24,60.75 h1 r270; Mechanical 14 "J" at 129.24,60.274 h1 r90; Mechanical 14 "6" at 133.59,54.9 h1 r270; Mechanical 14 "5" at 133.59,52.9 h1 r270; Mechanical 14 "I" at 126.84,60.5 h1 r270; Mechanical 14 "I" at 127.84,60.5 h1 r90; Mechanical 14 "H" at 125.44,60.75 h1 r270; Mechanical 14 "H" at 126.44,60.083 h1 r90; Mechanical 14 "G" at 124.04,60.75 h1 r270; Mechanical 14 "G" at 125.04,60.036 h1 r90; Mechanical 14 "4" at 133.59,50.9 h1 r270; Mechanical 14 "3" at 133.59,48.9 h1 r270; Mechanical 14 "2" at 133.59,46.9 h1 r270; Mechanical 14 "1" at 133.59,44.9 h1 r270; Mechanical 14 "F" at 122.64,60.75 h1 r270; Mechanical 14 "F" at 123.64,60.131 h1 r90; Mechanical 14 "E" at 121.24,60.75 h1 r270; Mechanical 14 "E" at 122.24,60.131 h1 r90; Mechanical 14 "D" at 119.84,60.75 h1 r270; Mechanical 14 "D" at 120.84,60.083 h1 r90; Mechanical 14 "C" at 118.44,60.75 h1 r270; Mechanical 14 "C" at 119.44,60.036 h1 r90; Mechanical 14 "B" at 117.04,60.75 h1 r270; Mechanical 14 "B" at 118.04,60.083 h1 r90; Mechanical 14 "A" at 115.64,60.75 h1 r270; Mechanical 14 "A" at 116.64,59.988 h1 r90
J13_Slot5: Drill Drawing "PRESS-FIT TECHNOLOGY" at 145.77,42.05 h1; Drill Drawing "Diam. 0.5mm +/-0.05" at 145.77,40.55 h1; Top Overlay "8" at 165.07,58.233 h1 r90; Top Overlay "7" at 165.07,56.233 h1 r90; Top Overlay "6" at 165.07,54.281 h1 r90; Top Overlay "5" at 165.07,52.233 h1 r90; Top Overlay "4" at 165.07,50.186 h1 r90; Top Overlay "3" at 165.07,48.233 h1 r90; Top Overlay "2" at 165.07,46.233 h1 r90; Top Overlay "1" at 165.07,44.662 h1 r90; Mechanical 14 "L" at 161.52,60.75 h1 r270; Mechanical 14 "L" at 162.52,60.179 h1 r90; Mechanical 14 "8" at 164.07,58.9 h1 r270; Mechanical 14 "7" at 164.07,56.9 h1 r270; Mechanical 14 "K" at 160.12,60.75 h1 r270; Mechanical 14 "K" at 161.12,60.083 h1 r90; Mechanical 14 "J" at 158.72,60.75 h1 r270; Mechanical 14 "J" at 159.72,60.274 h1 r90; Mechanical 14 "6" at 164.07,54.9 h1 r270; Mechanical 14 "5" at 164.07,52.9 h1 r270; Mechanical 14 "I" at 157.32,60.5 h1 r270; Mechanical 14 "I" at 158.32,60.5 h1 r90; Mechanical 14 "H" at 155.92,60.75 h1 r270; Mechanical 14 "H" at 156.92,60.083 h1 r90; Mechanical 14 "G" at 154.52,60.75 h1 r270; Mechanical 14 "G" at 155.52,60.036 h1 r90; Mechanical 14 "4" at 164.07,50.9 h1 r270; Mechanical 14 "3" at 164.07,48.9 h1 r270; Mechanical 14 "2" at 164.07,46.9 h1 r270; Mechanical 14 "1" at 164.07,44.9 h1 r270; Mechanical 14 "F" at 153.12,60.75 h1 r270; Mechanical 14 "F" at 154.12,60.131 h1 r90; Mechanical 14 "E" at 151.72,60.75 h1 r270; Mechanical 14 "E" at 152.72,60.131 h1 r90; Mechanical 14 "D" at 150.32,60.75 h1 r270; Mechanical 14 "D" at 151.32,60.083 h1 r90; Mechanical 14 "C" at 148.92,60.75 h1 r270; Mechanical 14 "C" at 149.92,60.036 h1 r90; Mechanical 14 "B" at 147.52,60.75 h1 r270; Mechanical 14 "B" at 148.52,60.083 h1 r90; Mechanical 14 "A" at 146.12,60.75 h1 r270; Mechanical 14 "A" at 147.12,59.988 h1 r90
J13_Slot6: Drill Drawing "PRESS-FIT TECHNOLOGY" at 176.25,42.05 h1; Drill Drawing "Diam. 0.5mm +/-0.05" at 176.25,40.55 h1; Top Overlay "8" at 195.55,58.233 h1 r90; Top Overlay "7" at 195.55,56.233 h1 r90; Top Overlay "6" at 195.55,54.281 h1 r90; Top Overlay "5" at 195.55,52.233 h1 r90; Top Overlay "4" at 195.55,50.186 h1 r90; Top Overlay "3" at 195.55,48.233 h1 r90; Top Overlay "2" at 195.55,46.233 h1 r90; Top Overlay "1" at 195.55,44.662 h1 r90; Mechanical 14 "L" at 192,60.75 h1 r270; Mechanical 14 "L" at 193,60.179 h1 r90; Mechanical 14 "8" at 194.55,58.9 h1 r270; Mechanical 14 "7" at 194.55,56.9 h1 r270; Mechanical 14 "K" at 190.6,60.75 h1 r270; Mechanical 14 "K" at 191.6,60.083 h1 r90; Mechanical 14 "J" at 189.2,60.75 h1 r270; Mechanical 14 "J" at 190.2,60.274 h1 r90; Mechanical 14 "6" at 194.55,54.9 h1 r270; Mechanical 14 "5" at 194.55,52.9 h1 r270; Mechanical 14 "I" at 187.8,60.5 h1 r270; Mechanical 14 "I" at 188.8,60.5 h1 r90; Mechanical 14 "H" at 186.4,60.75 h1 r270; Mechanical 14 "H" at 187.4,60.083 h1 r90; Mechanical 14 "G" at 185,60.75 h1 r270; Mechanical 14 "G" at 186,60.036 h1 r90; Mechanical 14 "4" at 194.55,50.9 h1 r270; Mechanical 14 "3" at 194.55,48.9 h1 r270; Mechanical 14 "2" at 194.55,46.9 h1 r270; Mechanical 14 "1" at 194.55,44.9 h1 r270; Mechanical 14 "F" at 183.6,60.75 h1 r270; Mechanical 14 "F" at 184.6,60.131 h1 r90; Mechanical 14 "E" at 182.2,60.75 h1 r270; Mechanical 14 "E" at 183.2,60.131 h1 r90; Mechanical 14 "D" at 180.8,60.75 h1 r270; Mechanical 14 "D" at 181.8,60.083 h1 r90; Mechanical 14 "C" at 179.4,60.75 h1 r270; Mechanical 14 "C" at 180.4,60.036 h1 r90; Mechanical 14 "B" at 178,60.75 h1 r270; Mechanical 14 "B" at 179,60.083 h1 r90; Mechanical 14 "A" at 176.6,60.75 h1 r270; Mechanical 14 "A" at 177.6,59.988 h1 r90
J13_Slot7: Drill Drawing "PRESS-FIT TECHNOLOGY" at 206.73,42.05 h1; Drill Drawing "Diam. 0.5mm +/-0.05" at 206.73,40.55 h1; Top Overlay "8" at 226.03,58.233 h1 r90; Top Overlay "7" at 226.03,56.233 h1 r90; Top Overlay "6" at 226.03,54.281 h1 r90; Top Overlay "5" at 226.03,52.233 h1 r90; Top Overlay "4" at 226.03,50.186 h1 r90; Top Overlay "3" at 226.03,48.233 h1 r90; Top Overlay "2" at 226.03,46.233 h1 r90; Top Overlay "1" at 226.03,44.662 h1 r90; Mechanical 14 "L" at 222.48,60.75 h1 r270; Mechanical 14 "8" at 225.03,58.9 h1 r270; Mechanical 14 "L" at 223.48,60.179 h1 r90; Mechanical 14 "7" at 225.03,56.9 h1 r270; Mechanical 14 "K" at 221.08,60.75 h1 r270; Mechanical 14 "K" at 222.08,60.083 h1 r90; Mechanical 14 "J" at 219.68,60.75 h1 r270; Mechanical 14 "J" at 220.68,60.274 h1 r90; Mechanical 14 "6" at 225.03,54.9 h1 r270; Mechanical 14 "5" at 225.03,52.9 h1 r270; Mechanical 14 "I" at 218.28,60.5 h1 r270; Mechanical 14 "I" at 219.28,60.5 h1 r90; Mechanical 14 "H" at 216.88,60.75 h1 r270; Mechanical 14 "H" at 217.88,60.083 h1 r90; Mechanical 14 "G" at 215.48,60.75 h1 r270; Mechanical 14 "G" at 216.48,60.036 h1 r90; Mechanical 14 "4" at 225.03,50.9 h1 r270; Mechanical 14 "3" at 225.03,48.9 h1 r270; Mechanical 14 "2" at 225.03,46.9 h1 r270; Mechanical 14 "1" at 225.03,44.9 h1 r270; Mechanical 14 "F" at 214.08,60.75 h1 r270; Mechanical 14 "F" at 215.08,60.131 h1 r90; Mechanical 14 "E" at 212.68,60.75 h1 r270; Mechanical 14 "E" at 213.68,60.131 h1 r90; Mechanical 14 "D" at 211.28,60.75 h1 r270; Mechanical 14 "D" at 212.28,60.083 h1 r90; Mechanical 14 "C" at 209.88,60.75 h1 r270; Mechanical 14 "C" at 210.88,60.036 h1 r90; Mechanical 14 "B" at 208.48,60.75 h1 r270; Mechanical 14 "B" at 209.48,60.083 h1 r90; Mechanical 14 "A" at 207.08,60.75 h1 r270; Mechanical 14 "A" at 208.08,59.988 h1 r90
J13_Slot8: Drill Drawing "PRESS-FIT TECHNOLOGY" at 237.21,42.05 h1; Drill Drawing "Diam. 0.5mm +/-0.05" at 237.21,40.55 h1; Top Overlay "8" at 256.51,58.233 h1 r90; Top Overlay "7" at 256.51,56.233 h1 r90; Top Overlay "6" at 256.51,54.281 h1 r90; Top Overlay "5" at 256.51,52.233 h1 r90; Top Overlay "4" at 256.51,50.186 h1 r90; Top Overlay "3" at 256.51,48.233 h1 r90; Top Overlay "2" at 256.51,46.233 h1 r90; Top Overlay "1" at 256.51,44.662 h1 r90; Mechanical 14 "L" at 252.96,60.75 h1 r270; Mechanical 14 "8" at 255.51,58.9 h1 r270; Mechanical 14 "L" at 253.96,60.179 h1 r90; Mechanical 14 "7" at 255.51,56.9 h1 r270; Mechanical 14 "K" at 251.56,60.75 h1 r270; Mechanical 14 "K" at 252.56,60.083 h1 r90; Mechanical 14 "J" at 250.16,60.75 h1 r270; Mechanical 14 "J" at 251.16,60.274 h1 r90; Mechanical 14 "6" at 255.51,54.9 h1 r270; Mechanical 14 "5" at 255.51,52.9 h1 r270; Mechanical 14 "I" at 248.76,60.5 h1 r270; Mechanical 14 "I" at 249.76,60.5 h1 r90; Mechanical 14 "H" at 247.36,60.75 h1 r270; Mechanical 14 "H" at 248.36,60.083 h1 r90; Mechanical 14 "G" at 245.96,60.75 h1 r270; Mechanical 14 "G" at 246.96,60.036 h1 r90; Mechanical 14 "4" at 255.51,50.9 h1 r270; Mechanical 14 "3" at 255.51,48.9 h1 r270; Mechanical 14 "2" at 255.51,46.9 h1 r270; Mechanical 14 "1" at 255.51,44.9 h1 r270; Mechanical 14 "F" at 244.56,60.75 h1 r270; Mechanical 14 "F" at 245.56,60.131 h1 r90; Mechanical 14 "E" at 243.16,60.75 h1 r270; Mechanical 14 "E" at 244.16,60.131 h1 r90; Mechanical 14 "D" at 241.76,60.75 h1 r270; Mechanical 14 "D" at 242.76,60.083 h1 r90; Mechanical 14 "C" at 240.36,60.75 h1 r270; Mechanical 14 "C" at 241.36,60.036 h1 r90; Mechanical 14 "B" at 238.96,60.75 h1 r270; Mechanical 14 "B" at 239.96,60.083 h1 r90; Mechanical 14 "A" at 237.56,60.75 h1 r270; Mechanical 14 "A" at 238.56,59.988 h1 r90
J14_Slot1: Top Overlay "L" at 40.6,79.179 h1 r90; Top Overlay "8" at 43.15,77.233 h1 r90; Top Overlay "7" at 43.15,75.233 h1 r90; Top Overlay "K" at 39.2,79.083 h1 r90; Top Overlay "J" at 37.8,79.274 h1 r90; Top Overlay "6" at 43.15,73.281 h1 r90; Top Overlay "5" at 43.15,71.233 h1 r90; Top Overlay "I" at 36.4,79.5 h1 r90; Top Overlay "H" at 35,79.083 h1 r90; Top Overlay "G" at 33.6,79.036 h1 r90; Top Overlay "4" at 43.15,69.186 h1 r90; Top Overlay "3" at 43.15,67.233 h1 r90; Top Overlay "2" at 43.15,65.233 h1 r90; Top Overlay "1" at 43.15,63.662 h1 r90; Top Overlay "F" at 32.2,79.131 h1 r90; Top Overlay "E" at 30.8,79.131 h1 r90; Top Overlay "D" at 29.4,79.083 h1 r90; Top Overlay "C" at 28,79.036 h1 r90; Top Overlay "B" at 26.6,79.083 h1 r90; Top Overlay "A" at 25.2,78.988 h1 r90; Mechanical 14 "L" at 39.6,79.75 h1 r270; Mechanical 14 "8" at 42.15,77.9 h1 r270; Mechanical 14 "7" at 42.15,75.9 h1 r270; Mechanical 14 "K" at 38.2,79.75 h1 r270; Mechanical 14 "J" at 36.8,79.75 h1 r270; Mechanical 14 "6" at 42.15,73.9 h1 r270; Mechanical 14 "5" at 42.15,71.9 h1 r270; Mechanical 14 "I" at 35.4,79.5 h1 r270; Mechanical 14 "H" at 34,79.75 h1 r270; Mechanical 14 "G" at 32.6,79.75 h1 r270; Mechanical 14 "4" at 42.15,69.9 h1 r270; Mechanical 14 "3" at 42.15,67.9 h1 r270; Mechanical 14 "2" at 42.15,65.9 h1 r270; Mechanical 14 "1" at 42.15,63.9 h1 r270; Mechanical 14 "F" at 31.2,79.75 h1 r270; Mechanical 14 "E" at 29.8,79.75 h1 r270; Mechanical 14 "D" at 28.4,79.75 h1 r270; Mechanical 14 "C" at 27,79.75 h1 r270; Mechanical 14 "B" at 25.6,79.75 h1 r270; Mechanical 14 "A" at 24.2,79.75 h1 r270
J14_Slot2: Top Overlay "L" at 71.08,79.179 h1 r90; Top Overlay "8" at 73.63,77.233 h1 r90; Top Overlay "7" at 73.63,75.233 h1 r90; Top Overlay "K" at 69.68,79.083 h1 r90; Top Overlay "J" at 68.28,79.274 h1 r90; Top Overlay "6" at 73.63,73.281 h1 r90; Top Overlay "5" at 73.63,71.233 h1 r90; Top Overlay "I" at 66.88,79.5 h1 r90; Top Overlay "H" at 65.48,79.083 h1 r90; Top Overlay "G" at 64.08,79.036 h1 r90; Top Overlay "4" at 73.63,69.186 h1 r90; Top Overlay "3" at 73.63,67.233 h1 r90; Top Overlay "2" at 73.63,65.233 h1 r90; Top Overlay "1" at 73.63,63.662 h1 r90; Top Overlay "F" at 62.68,79.131 h1 r90; Top Overlay "E" at 61.28,79.131 h1 r90; Top Overlay "D" at 59.88,79.083 h1 r90; Top Overlay "C" at 58.48,79.036 h1 r90; Top Overlay "B" at 57.08,79.083 h1 r90; Top Overlay "A" at 55.68,78.988 h1 r90; Mechanical 14 "L" at 70.08,79.75 h1 r270; Mechanical 14 "8" at 72.63,77.9 h1 r270; Mechanical 14 "7" at 72.63,75.9 h1 r270; Mechanical 14 "K" at 68.68,79.75 h1 r270; Mechanical 14 "J" at 67.28,79.75 h1 r270; Mechanical 14 "6" at 72.63,73.9 h1 r270; Mechanical 14 "5" at 72.63,71.9 h1 r270; Mechanical 14 "I" at 65.88,79.5 h1 r270; Mechanical 14 "H" at 64.48,79.75 h1 r270; Mechanical 14 "G" at 63.08,79.75 h1 r270; Mechanical 14 "4" at 72.63,69.9 h1 r270; Mechanical 14 "3" at 72.63,67.9 h1 r270; Mechanical 14 "2" at 72.63,65.9 h1 r270; Mechanical 14 "1" at 72.63,63.9 h1 r270; Mechanical 14 "F" at 61.68,79.75 h1 r270; Mechanical 14 "E" at 60.28,79.75 h1 r270; Mechanical 14 "D" at 58.88,79.75 h1 r270; Mechanical 14 "C" at 57.48,79.75 h1 r270; Mechanical 14 "B" at 56.08,79.75 h1 r270; Mechanical 14 "A" at 54.68,79.75 h1 r270
J14_Slot3: Top Overlay "L" at 101.56,79.179 h1 r90; Top Overlay "8" at 104.11,77.233 h1 r90; Top Overlay "7" at 104.11,75.233 h1 r90; Top Overlay "K" at 100.16,79.083 h1 r90; Top Overlay "J" at 98.76,79.274 h1 r90; Top Overlay "6" at 104.11,73.281 h1 r90; Top Overlay "5" at 104.11,71.233 h1 r90; Top Overlay "I" at 97.36,79.5 h1 r90; Top Overlay "H" at 95.96,79.083 h1 r90; Top Overlay "G" at 94.56,79.036 h1 r90; Top Overlay "4" at 104.11,69.186 h1 r90; Top Overlay "3" at 104.11,67.233 h1 r90; Top Overlay "2" at 104.11,65.233 h1 r90; Top Overlay "1" at 104.11,63.662 h1 r90; Top Overlay "F" at 93.16,79.131 h1 r90; Top Overlay "E" at 91.76,79.131 h1 r90; Top Overlay "D" at 90.36,79.083 h1 r90; Top Overlay "C" at 88.96,79.036 h1 r90; Top Overlay "B" at 87.56,79.083 h1 r90; Top Overlay "A" at 86.16,78.988 h1 r90; Mechanical 14 "L" at 100.56,79.75 h1 r270; Mechanical 14 "8" at 103.11,77.9 h1 r270; Mechanical 14 "7" at 103.11,75.9 h1 r270; Mechanical 14 "K" at 99.16,79.75 h1 r270; Mechanical 14 "J" at 97.76,79.75 h1 r270; Mechanical 14 "6" at 103.11,73.9 h1 r270; Mechanical 14 "5" at 103.11,71.9 h1 r270; Mechanical 14 "I" at 96.36,79.5 h1 r270; Mechanical 14 "H" at 94.96,79.75 h1 r270; Mechanical 14 "G" at 93.56,79.75 h1 r270; Mechanical 14 "4" at 103.11,69.9 h1 r270; Mechanical 14 "3" at 103.11,67.9 h1 r270; Mechanical 14 "2" at 103.11,65.9 h1 r270; Mechanical 14 "1" at 103.11,63.9 h1 r270; Mechanical 14 "F" at 92.16,79.75 h1 r270; Mechanical 14 "E" at 90.76,79.75 h1 r270; Mechanical 14 "D" at 89.36,79.75 h1 r270; Mechanical 14 "C" at 87.96,79.75 h1 r270; Mechanical 14 "B" at 86.56,79.75 h1 r270; Mechanical 14 "A" at 85.16,79.75 h1 r270
J14_Slot4: Top Overlay "L" at 132.04,79.179 h1 r90; Top Overlay "8" at 134.59,77.233 h1 r90; Top Overlay "7" at 134.59,75.233 h1 r90; Top Overlay "K" at 130.64,79.083 h1 r90; Top Overlay "J" at 129.24,79.274 h1 r90; Top Overlay "6" at 134.59,73.281 h1 r90; Top Overlay "5" at 134.59,71.233 h1 r90; Top Overlay "I" at 127.84,79.5 h1 r90; Top Overlay "H" at 126.44,79.083 h1 r90; Top Overlay "G" at 125.04,79.036 h1 r90; Top Overlay "4" at 134.59,69.186 h1 r90; Top Overlay "3" at 134.59,67.233 h1 r90; Top Overlay "2" at 134.59,65.233 h1 r90; Top Overlay "1" at 134.59,63.662 h1 r90; Top Overlay "F" at 123.64,79.131 h1 r90; Top Overlay "E" at 122.24,79.131 h1 r90; Top Overlay "D" at 120.84,79.083 h1 r90; Top Overlay "C" at 119.44,79.036 h1 r90; Top Overlay "B" at 118.04,79.083 h1 r90; Top Overlay "A" at 116.64,78.988 h1 r90; Mechanical 14 "L" at 131.04,79.75 h1 r270; Mechanical 14 "8" at 133.59,77.9 h1 r270; Mechanical 14 "7" at 133.59,75.9 h1 r270; Mechanical 14 "K" at 129.64,79.75 h1 r270; Mechanical 14 "J" at 128.24,79.75 h1 r270; Mechanical 14 "6" at 133.59,73.9 h1 r270; Mechanical 14 "5" at 133.59,71.9 h1 r270; Mechanical 14 "I" at 126.84,79.5 h1 r270; Mechanical 14 "H" at 125.44,79.75 h1 r270; Mechanical 14 "G" at 124.04,79.75 h1 r270; Mechanical 14 "4" at 133.59,69.9 h1 r270; Mechanical 14 "3" at 133.59,67.9 h1 r270; Mechanical 14 "2" at 133.59,65.9 h1 r270; Mechanical 14 "1" at 133.59,63.9 h1 r270; Mechanical 14 "F" at 122.64,79.75 h1 r270; Mechanical 14 "E" at 121.24,79.75 h1 r270; Mechanical 14 "D" at 119.84,79.75 h1 r270; Mechanical 14 "C" at 118.44,79.75 h1 r270; Mechanical 14 "B" at 117.04,79.75 h1 r270; Mechanical 14 "A" at 115.64,79.75 h1 r270
J14_Slot5: Top Overlay "L" at 162.52,79.179 h1 r90; Top Overlay "8" at 165.07,77.233 h1 r90; Top Overlay "7" at 165.07,75.233 h1 r90; Top Overlay "K" at 161.12,79.083 h1 r90; Top Overlay "J" at 159.72,79.274 h1 r90; Top Overlay "6" at 165.07,73.281 h1 r90; Top Overlay "5" at 165.07,71.233 h1 r90; Top Overlay "I" at 158.32,79.5 h1 r90; Top Overlay "H" at 156.92,79.083 h1 r90; Top Overlay "G" at 155.52,79.036 h1 r90; Top Overlay "4" at 165.07,69.186 h1 r90; Top Overlay "3" at 165.07,67.233 h1 r90; Top Overlay "2" at 165.07,65.233 h1 r90; Top Overlay "1" at 165.07,63.662 h1 r90; Top Overlay "F" at 154.12,79.131 h1 r90; Top Overlay "E" at 152.72,79.131 h1 r90; Top Overlay "D" at 151.32,79.083 h1 r90; Top Overlay "C" at 149.92,79.036 h1 r90; Top Overlay "B" at 148.52,79.083 h1 r90; Top Overlay "A" at 147.12,78.988 h1 r90; Mechanical 14 "L" at 161.52,79.75 h1 r270; Mechanical 14 "8" at 164.07,77.9 h1 r270; Mechanical 14 "7" at 164.07,75.9 h1 r270; Mechanical 14 "K" at 160.12,79.75 h1 r270; Mechanical 14 "J" at 158.72,79.75 h1 r270; Mechanical 14 "6" at 164.07,73.9 h1 r270; Mechanical 14 "5" at 164.07,71.9 h1 r270; Mechanical 14 "I" at 157.32,79.5 h1 r270; Mechanical 14 "H" at 155.92,79.75 h1 r270; Mechanical 14 "G" at 154.52,79.75 h1 r270; Mechanical 14 "4" at 164.07,69.9 h1 r270; Mechanical 14 "3" at 164.07,67.9 h1 r270; Mechanical 14 "2" at 164.07,65.9 h1 r270; Mechanical 14 "1" at 164.07,63.9 h1 r270; Mechanical 14 "F" at 153.12,79.75 h1 r270; Mechanical 14 "E" at 151.72,79.75 h1 r270; Mechanical 14 "D" at 150.32,79.75 h1 r270; Mechanical 14 "C" at 148.92,79.75 h1 r270; Mechanical 14 "B" at 147.52,79.75 h1 r270; Mechanical 14 "A" at 146.12,79.75 h1 r270